# KiCad board PANEL_DRY_ELECTRODES.kicad_pcb (continued)
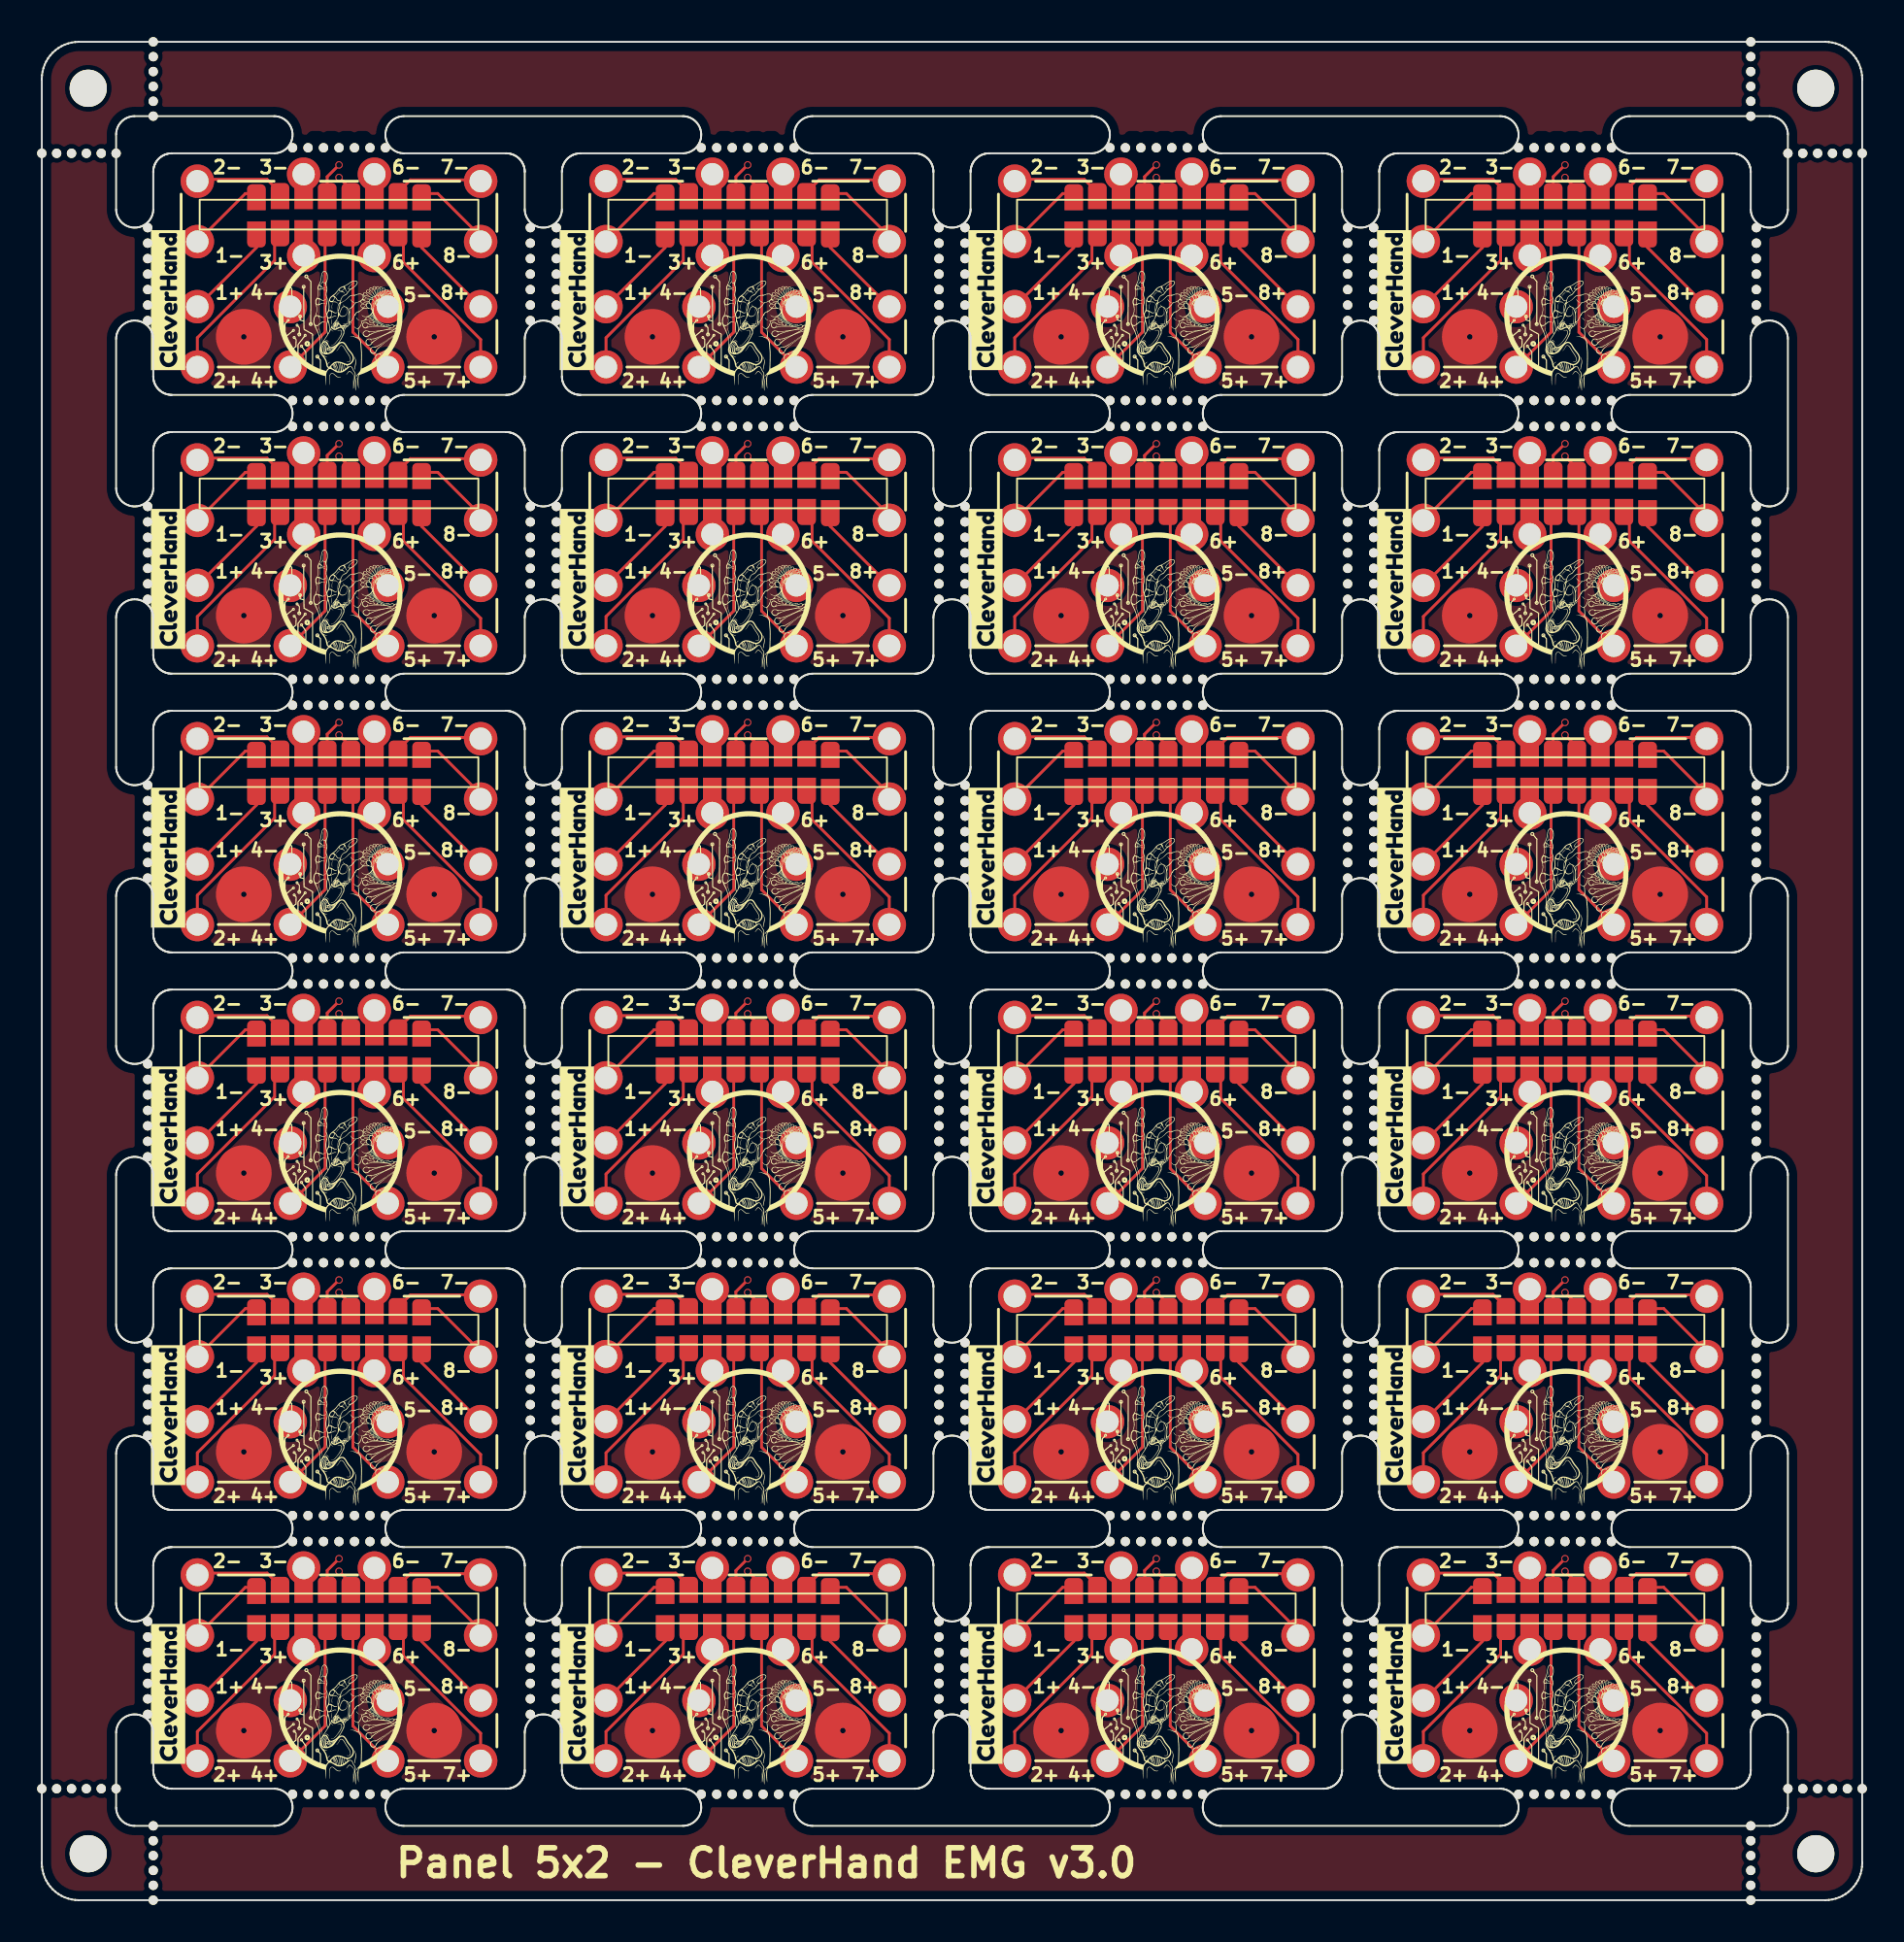
[diagram p0: board, top side]
## Copper pours and planes (outline as drawn; the poured copper is in the pictures) (continued)
Board_20-/in2+ on Bottom: 6,9 10.75,9 10.75,6 6,6
Board_20-/in2- on Bottom: 6,19 10.75,19 10.75,16 6,16
Board_20-/in3+ on Bottom: 11,15.75 15.75,15.75 15.75,12.75 11,12.75
Board_20-/in3- on Bottom: 11,19 15.75,19 15.75,16 11,16
Board_20-/in4+ on Bottom: 11,9 15.75,9 15.75,6 11,6
Board_20-/in4- on Bottom: 11,12.25 15.75,12.25 15.75,9.25 11,9.25
Board_20-/in5+ on Bottom: 16.25,9 21,9 21,6 16.25,6
Board_20-/in5- on Bottom: 16.25,12.25 21,12.25 21,9.25 16.25,9.25
Board_20-/in6+ on Bottom: 16.25,15.75 21,15.75 21,12.75 16.25,12.75
Board_20-/in6- on Bottom: 16.25,19 21,19 21,16 16.25,16
Board_20-/in7+ on Bottom: 21.25,9 26,9 26,6 21.25,6
Board_20-/in7- on Bottom: 21.25,19 26,19 26,16 21.25,16
Board_20-/in8+ on Bottom: 21.25,12.25 26,12.25 26,9.25 21.25,9.25
Board_20-/in8- on Bottom: 21.25,15.75 26,15.75 26,12.75 21.25,12.75
Board_20-GND on Top, In1.Cu, In2.Cu: 5.5,20 26.5,20 26.5,5.5 5.5,5.5
Board_21-/in1+ on Bottom: 28,12.25 32.75,12.25 32.75,9.25 28,9.25
Board_21-/in1- on Bottom: 28,15.75 32.75,15.75 32.75,12.75 28,12.75
Board_21-/in2+ on Bottom: 28,9 32.75,9 32.75,6 28,6
Board_21-/in2- on Bottom: 28,19 32.75,19 32.75,16 28,16
Board_21-/in3+ on Bottom: 33,15.75 37.75,15.75 37.75,12.75 33,12.75
Board_21-/in3- on Bottom: 33,19 37.75,19 37.75,16 33,16
Board_21-/in4+ on Bottom: 33,9 37.75,9 37.75,6 33,6
Board_21-/in4- on Bottom: 33,12.25 37.75,12.25 37.75,9.25 33,9.25
Board_21-/in5+ on Bottom: 38.25,9 43,9 43,6 38.25,6
Board_21-/in5- on Bottom: 38.25,12.25 43,12.25 43,9.25 38.25,9.25
Board_21-/in6+ on Bottom: 38.25,15.75 43,15.75 43,12.75 38.25,12.75
Board_21-/in6- on Bottom: 38.25,19 43,19 43,16 38.25,16
Board_21-/in7+ on Bottom: 43.25,9 48,9 48,6 43.25,6
Board_21-/in7- on Bottom: 43.25,19 48,19 48,16 43.25,16
Board_21-/in8+ on Bottom: 43.25,12.25 48,12.25 48,9.25 43.25,9.25
Board_21-/in8- on Bottom: 43.25,15.75 48,15.75 48,12.75 43.25,12.75
Board_21-GND on Top, In1.Cu, In2.Cu: 27.5,20 48.5,20 48.5,5.5 27.5,5.5
Board_22-/in1+ on Bottom: 50,12.25 54.75,12.25 54.75,9.25 50,9.25
Board_22-/in1- on Bottom: 50,15.75 54.75,15.75 54.75,12.75 50,12.75
Board_22-/in2+ on Bottom: 50,9 54.75,9 54.75,6 50,6
Board_22-/in2- on Bottom: 50,19 54.75,19 54.75,16 50,16
Board_22-/in3+ on Bottom: 55,15.75 59.75,15.75 59.75,12.75 55,12.75
Board_22-/in3- on Bottom: 55,19 59.75,19 59.75,16 55,16
Board_22-/in4+ on Bottom: 55,9 59.75,9 59.75,6 55,6
Board_22-/in4- on Bottom: 55,12.25 59.75,12.25 59.75,9.25 55,9.25
Board_22-/in5+ on Bottom: 60.25,9 65,9 65,6 60.25,6
Board_22-/in5- on Bottom: 60.25,12.25 65,12.25 65,9.25 60.25,9.25
Board_22-/in6+ on Bottom: 60.25,15.75 65,15.75 65,12.75 60.25,12.75
Board_22-/in6- on Bottom: 60.25,19 65,19 65,16 60.25,16
Board_22-/in7+ on Bottom: 65.25,9 70,9 70,6 65.25,6
Board_22-/in7- on Bottom: 65.25,19 70,19 70,16 65.25,16
Board_22-/in8+ on Bottom: 65.25,12.25 70,12.25 70,9.25 65.25,9.25
Board_22-/in8- on Bottom: 65.25,15.75 70,15.75 70,12.75 65.25,12.75
Board_22-GND on Top, In1.Cu, In2.Cu: 49.5,20 70.5,20 70.5,5.5 49.5,5.5
Board_23-/in1+ on Bottom: 72,12.25 76.75,12.25 76.75,9.25 72,9.25
Board_23-/in1- on Bottom: 72,15.75 76.75,15.75 76.75,12.75 72,12.75
Board_23-/in2+ on Bottom: 72,9 76.75,9 76.75,6 72,6
Board_23-/in2- on Bottom: 72,19 76.75,19 76.75,16 72,16
Board_23-/in3+ on Bottom: 77,15.75 81.75,15.75 81.75,12.75 77,12.75
Board_23-/in3- on Bottom: 77,19 81.75,19 81.75,16 77,16
Board_23-/in4+ on Bottom: 77,9 81.75,9 81.75,6 77,6
Board_23-/in4- on Bottom: 77,12.25 81.75,12.25 81.75,9.25 77,9.25
Board_23-/in5+ on Bottom: 82.25,9 87,9 87,6 82.25,6
Board_23-/in5- on Bottom: 82.25,12.25 87,12.25 87,9.25 82.25,9.25
Board_23-/in6+ on Bottom: 82.25,15.75 87,15.75 87,12.75 82.25,12.75
Board_23-/in6- on Bottom: 82.25,19 87,19 87,16 82.25,16
Board_23-/in7+ on Bottom: 87.25,9 92,9 92,6 87.25,6
Board_23-/in7- on Bottom: 87.25,19 92,19 92,16 87.25,16
Board_23-/in8+ on Bottom: 87.25,12.25 92,12.25 92,9.25 87.25,9.25
Board_23-/in8- on Bottom: 87.25,15.75 92,15.75 92,12.75 87.25,12.75
Board_23-GND on Top, In1.Cu, In2.Cu: 71.5,20 92.5,20 92.5,5.5 71.5,5.5

## Text on the board
F.Silkscreen: 2- | 2+ | 1- | 1+ | 4- | 4+ | 3- | 3+ | 6- | 6+ | 5- | 5+ | 7- | 8+ | 8- | 7+ | Panel 5x2 - CleverHand EMG v3.0
